# Altium PCB PCB2.PcbDoc (part 2 of 2)
Units mm, origin at the board's own origin, x right, y up, seen from the top; angles counter-clockwise.
Board outline 130 x 80 mm, 4 copper layers (L1, L2, L3, L4), stack 0.618 mm thick; 289 components, 197 nets, 953 pads, 278 vias.
Unrouted connection lines stored in the file: 512.
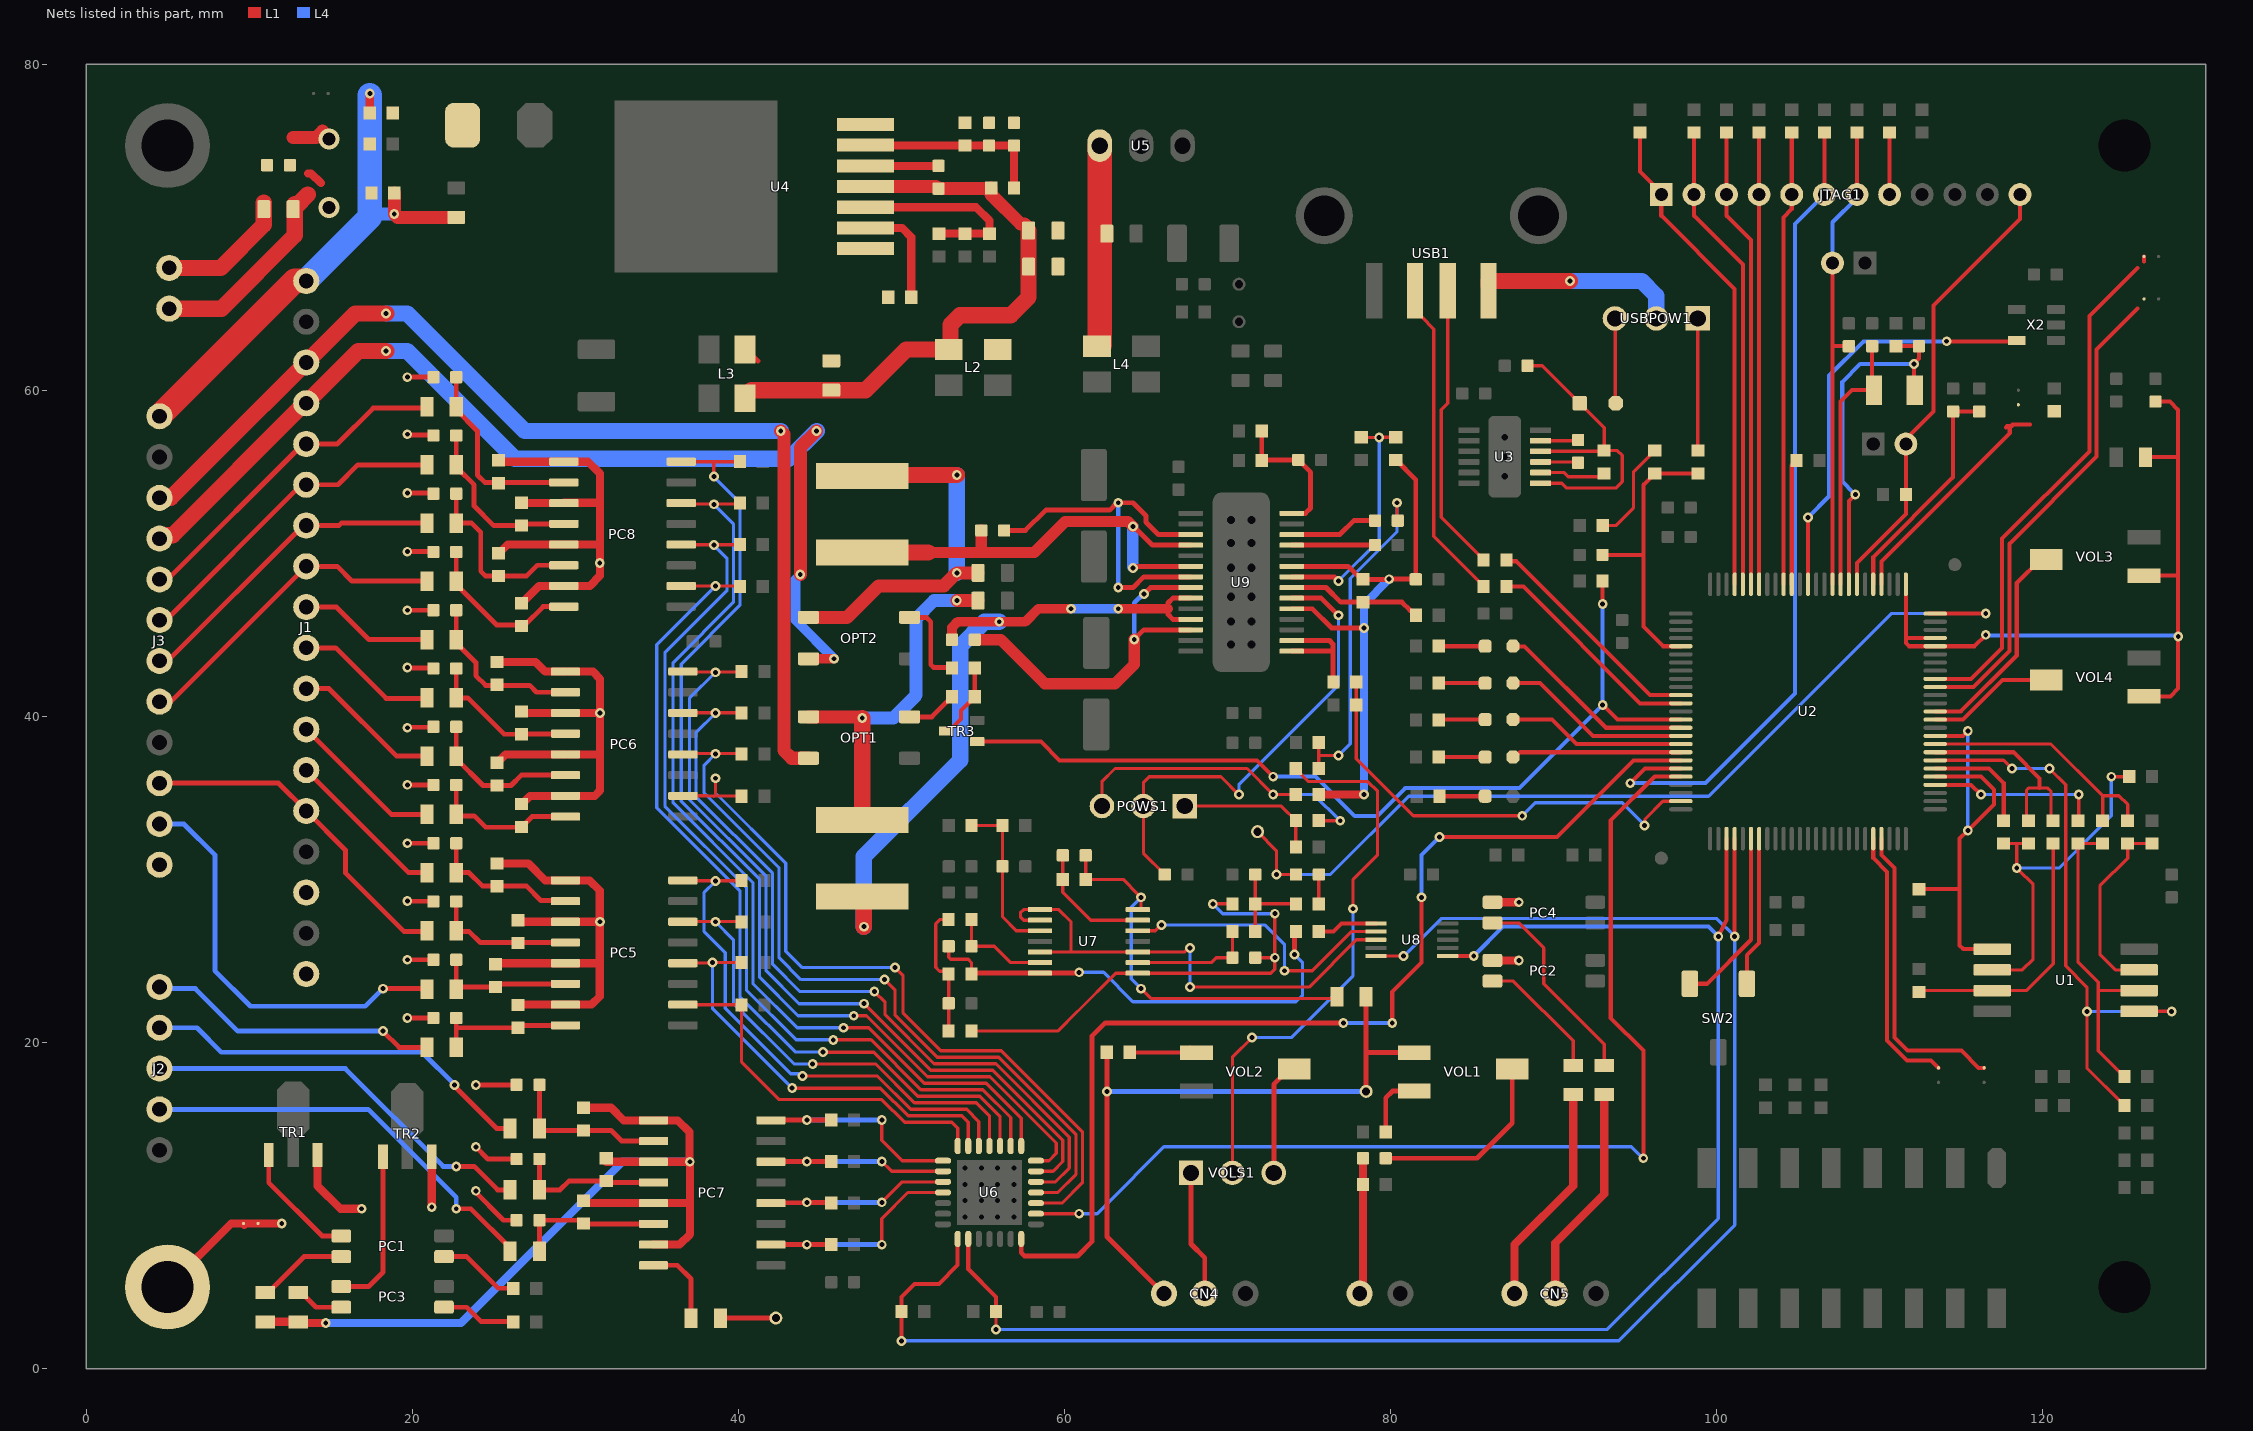
[diagram p4: the nets of this part, all layers, seen from the top]

## Via types
v1: diameter 0.6, hole 0.3, L1 to L4, 276 vias
v2: diameter 1.3, hole 0.8, L1 to L4, 2 vias

## Nets (pads, with @x,y where several pads share a name; then routed paths per layer and width w, separated by ;. In a path a pad name is that pad's centre, name@x,y a point inside that pad or via, vN(x,y) a via of type N, cw(c..) or ccw(c..) an arc to the next point about the centre after c; other vN are vias at no path point) (continued)
EX24V: C33.2 C52.2 CN3.1 PC2.1 PC4.1 PC5.1 PC5.3 PC5.5 PC5.7 PC6.1 PC6.3 PC6.5 PC6.7 PC7.1 PC7.3 PC7.5 PC7.7 PC8.1 PC8.3 PC8.5 PC8.7 R43.2 R44.2 R72.2 R73.2 R76.2 R77.2 R80.2 R81.2 R84.2 R85.2 R88.2 R89.2 R92.2 R93.2 R96.2 R97.2 R100.2 R105.2 | length 163.5
  L1 w0.5: R44.2@11.003,2.868 R43.2@12.997,2.868 ; R43.2@13,2.865 13.065,2.8 v1@14.673,2.8 ; 13.6,73.3 13.8,73.3 14.4,72.7 ; R80.2@25.2,24.8 25.26,24.86 PC5.5@29.4,24.86 31.5,24.86 ; R72.2@25.2,30.98 27.12,30.98 28.16,29.94 PC5.1@29.4,29.94 30.885,29.94 31.5,29.325 v1@31.5,27.4 ; R81.2@25.2,37.16 25.225,37.16 25.73,37.665 PC6.5@29.4,37.665 ; R73.2@25.2,43.34 27.56,43.34 28.155,42.745 PC6.1@29.4,42.745 ; R89.2@25.2,55.7 25.285,55.615 PC8.1@29.3,55.615 30.785,55.615 31.506,54.894 31.506,53.094 ; R97.2@25.3,50 25.325,50 25.86,50.535 PC8.5@29.3,50.535 31.49,50.535 31.525,50.5 ; R84.2@26.7,22.3 26.72,22.32 PC5.7@29.4,22.32 30.995,22.32 31.5,22.825 31.5,24.86 ; R76.2@26.7,27.5 26.8,27.4 PC5.3@29.4,27.4 v1@31.5,27.4 ; R85.2@26.7,34.62 26.725,34.62 27.23,35.125 PC6.7@29.4,35.125 ; R77.2@26.7,40.3 26.795,40.205 PC6.3@29.4,40.205 ; R100.2@26.7,46.94 26.725,46.94 27.78,47.995 PC8.7@29.3,47.995 30.895,47.995 31.525,48.625 31.525,50.5 ; R93.2@26.7,53.1 26.725,53.075 PC8.3@29.3,53.075 29.319,53.094 31.506,53.094 ; PC6.7@29.6,35.12 31.195,35.12 31.525,35.45 v1(31.525,40.2) ; PC6.5@29.6,37.66 31.5,37.66 ; PC6.3@29.6,40.2 v1(31.525,40.2) ; PC6.1@29.6,42.74 31.085,42.74 31.525,42.3 v1(31.525,40.2) ; R88.2@30.4,16 32.2,16 32.975,15.225 PC7.1@34.8,15.225 36.285,15.225 37.006,14.504 37.006,12.704 v1(37.025,12.685) ; R96.2@30.5,10.3 30.525,10.3 30.68,10.145 PC7.5@34.8,10.145 36.99,10.145 37.025,10.11 ; R92.2@31.9,12.9 31.9,12.685 PC7.3@34.8,12.685 v1(37.025,12.685) ; PC7.7@34.8,7.605 36.395,7.605 37.025,8.235 37.025,10.11 ; PC2.1@86.25,25.035 v1(87.865,25.035) ; PC4.1@86.25,28.6 v1(87.865,28.6) ; 31.5,24.86 v1@31.5,27.4 ; 31.506,53.094 31.506,50.519 31.525,50.5 ; 37.025,10.11 v1(37.025,12.685)
  L1 w1: CN3.1@5.1,65 8.3,65 12.799,69.499 C52.2@12.799,71.399 ; C52.2@12.899,71.299 13.6,72
  L4 w0.5: v1(14.7,2.8) 23,2.8 32.885,12.685 v1(37.025,12.685)
  other v1: 31.525,27.4 31.5,49.4
  other v2: 14.9,71.2
EXGND: "EXT GND1.1" C32.1 C33.1 C34.1 C37.1 C38.1 C39.1 C40.1 C41.1 C42.1 C43.1 C44.1 C45.1 C46.1 C47.1 C48.1 C49.1 C52.1 CN3.2 J1.16 J1.18 J3.12 JP3.1 JP3.2 R106.2 TR1.3 TR2.3 | length 56.1
  L1 w0.3: v1(19.7,21.5) C38.1@21.3,21.5 ; v1(19.7,25.073) C37.1@21.3,25.073 ; v1(19.7,28.67) 19.712,28.658 21.288,28.658 C34.1@21.3,28.645 ; v1(19.7,32.218) C32.1@21.3,32.218 ; v1(19.7,35.8) 19.705,35.795 21.295,35.795 C42.1@21.3,35.791 ; v1(19.7,39.3) 19.732,39.332 21.268,39.332 C43.1@21.3,39.364 ; v1(19.7,43) 19.732,42.968 21.268,42.968 C44.1@21.3,42.936 ; v1(19.7,46.509) C45.1@21.3,46.509 ; v1(19.7,50.1) 21.263,50.1 C46.1@21.273,50.09 ; v1(19.7,53.7) 21.021,53.7 21.121,53.8 C47.1@21.282,53.639 ; v1(19.7,57.3) 19.736,57.264 21.264,57.264 C48.1@21.3,57.227 ; v1(19.7,60.8) C49.1@21.3,60.8 ; v1@23.8,10.9 25.6,9.1 C41.1@26.4,9.1 ; v1(23.9,13.6) 24.65,12.85 C40.1@26.4,12.85 ; v1(23.9,17.4) C39.1@26.4,17.4
  L1 w0.5: 5,5 8.9,8.9 9.6,8.9 9.7,8.8 ; JP3.2@9.654,8.9 JP3.1@10.546,8.9 v1(12,8.9) ; TR1.3@14.2,13.55 TR1.3@14.2,13.1 14.2,11.2 15.6,9.8 v1(16.9,9.8) ; v1(21.2,9.9) TR2.3@21.2,13 TR2.3@21.2,13.4
  L1 w0.8: 12.7,75.5 14.1,75.5 v2@14.5,75.9
  L1 w1: CN3.2@5.1,67.5 8.25,67.5 10.9,70.15 C52.1@10.9,71.1 C52.1@10.9,71.5
  other v1: 23.9,10.9
  other v2: 14.9,75.4
GVDD: C70.2 R124.1 R129.2 R131.2 U9.5 U9.9 | length 37.3
  L1 w0.2: R129.2@75.59,35.2 R129.2@75.627,35.238
  L1 w0.3: U9.5@73.94,46.6 75.2,46.6 76.375,45.425 v1(78.365,45.425) ; U9.9@73.94,49.2 77.4,49.2 78.2,48.4 v1@79.912,48.4 ; v1(79.912,48.412) 81.488,48.412 C70.2@81.5,48.4 ; R131.2@80.315,55.72 80.34,55.72 81.545,54.515 C70.2@81.545,48.4
  L1 w0.5: R129.2@75.627,35.238 75.665,35.2 v1@78.4,35.2
  L4 w0.5: v1(78.365,35.2) v1(78.365,45.425) 78.365,46.865 v1(79.912,48.412)
I2CSCK: R104.1 U2.54 U6.8 U8.10 | length 109.6
  L1 w0.2: U8.10@79.2,25.3 v1(80.8,25.3)
  L1 w0.25: v1(50,1.7) R104.1@50,3.5 50,4.4 50.8,5.2 52.3,5.2 53.45,6.35 U6.8@53.45,7.95 ; v1(101.1,26.5) U2.54@101.1,32.5
  L4 w0.2: v1(50,1.7) 94,1.7 101.1,8.8 v1(101.1,26.5) 100,27.6 83.1,27.6 v1(80.8,25.3)
I2CSDA: R101.1 U2.53 U6.9 U8.1 | length 93.9
  L1 w0.2: v1(55.8,2.4) R101.1@55.8,3.5 R101.1@55.8,3.8
  L1 w0.25: U6.9@54.1,7.95 54.1,6.1 55.8,4.4 R101.1@55.8,3.8 ; U8.1@84,25.3 v1(85.1,25.3) ; v1(100.1,26.5) 100.6,27.5 U2.53@100.6,32.5
  L4 w0.2: v1(55.8,2.4) 93.3,2.4 100.1,9.2 v1(100.1,26.5)
  L4 w0.25: v1(85.1,25.3) 86.9,27.1 99.5,27.1 v1(100.1,26.5)
INT_SW: U2.46 U6.16 | length 66.3
  L1 w0.2: U6.16@58.109,9.5 v1(60.9,9.5)
  L1 w0.25: v1(95.5,12.9) 95.5,19.5 93.5,21.5 93.5,33.6 96.2,36.3 U2.46@97.8,36.3
  L4 w0.2: v1(60.9,9.5) 62,9.5 62.1,9.6 62.5,10 66.1,13.6 94.751,13.6 95.451,12.9 v1(95.5,12.9)
LED_ALM: LED4.K U2.40 | length 12.4
  L1 w0.25: LED4.K@87.5,44.3 87.515,44.285 88.215,44.285 93.2,39.3 U2.40@97.8,39.3
LED_BSY: LED2.K U2.42 | length 10.9
  L1 w0.25: LED2.K@87.55,39.8 89.9,39.8 91.4,38.3 U2.42@97.8,38.3
LED_POW: LED1.K U2.41 | length 11.6
  L1 w0.25: LED1.K@87.5,42.033 89.167,42.033 92.4,38.8 U2.41@97.8,38.8
LED_USB: LED3.K U2.43 | length 10.4
  L1 w0.25: LED3.K@87.5,37.5 87.65,37.5 87.95,37.8 U2.43@97.8,37.8
LINE+: C55.2 CN1.1 R116.1 | length 8.4
  L1 w0.5: CN1.1@78.1,4.6 78.3,4.8 R116.1@78.3,11.3 C55.2@78.3,12.9
MD1: BOOT.2 JTAG1.12 R20.1 U2.7 | length 28
  L1 w0.25: U2.7@108.6,48.1 108.6,49.4 111.6,52.4 R20.1@111.6,53.6 BOOT.2@111.6,56.7 111.6,57 111.688,57.088 113.3,58.7 113.3,65.2 118.6,70.5 JTAG1.12@118.6,72
NetC9_2: C9.2 L1.2 U2.1 U2.96 U2.97 VOL3.1 VOL4.1 | length 50
  L1 w0.25: U2.1@111.6,48.1 111.6,44.8 ; U2.96@113.4,44.3 115.8,44.3 ; U2.97@113.4,44.8 111.6,44.8 ; v1(116.5,45) 115.8,44.3 ; VOL4.1@126.2,41.225 127.825,41.225 128.3,41.7 128.3,48.6 ; VOL3.1@126.2,48.625 128.275,48.625 128.3,48.6 ; L1.2@126.3,55.9 128.3,55.9 ; C9.2@126.9,59.3 127.8,59.3 128.3,58.8 128.3,55.9 ; 111.6,44.8 111.6,44.5 111.8,44.3 115.8,44.3 ; 128.3,48.6 128.3,51 128.3,55.9
  L4 w0.25: v1(116.5,45) 116.55,44.95 128.25,44.95 v1(128.3,44.9)
NetC12_2: C12.2 R140.2 U2.8 X1.2 | length 21.8
  L1 w0.25: U2.8@108.1,48.1 108.1,53.2 v1(108.5,53.6) v1@108.5,53.7 ; R140.2@110.992,62.7 C12.2@112.4,62.7 112.4,61.95 112.1,61.65 v1(112.1,61.6) X1.2@112.1,60.2
  L4 w0.25: v1@108.5,53.7 108.4,53.7 107.7,54.4 107.7,60.5 108.8,61.6 v1(112.1,61.6)
NetC13_2: C13.2 U2.9 X1.1 | length 16.2
  L1 w0.25: U2.9@107.6,48.1 107.6,59.3 108.3,60 109.6,60 109.533,60.067 C13.2@109.533,62.7
NetC18_1: C18.1 U3.9 | length 2.3
  L1 w0.2: U3.9@89.2,55.6 91.4,55.6 C18.1@91.5,55.5
NetC18_2: C18.2 U3.11 | length 2.3
  L1 w0.2: U3.11@89.2,56.9 C18.2@91.5,56.9
NetC20_1: C20.1 C21.1 R50.2 R51.1 U4.6 | length 11.7
  L1 w0.5: U4.6@47.8,75.03 47.815,75.015 54.585,75.015 54.6,75 C21.1@56.9,75 56.903,74.997 56.903,72.403 R51.1@56.905,72.4
NetC20_2: C20.2 C21.2 C26.2 C27.2 L2.1 R50.1 U4.7
NetC22_1: C22.1 C26.1 C27.1 C28.1 L2.4 L3.3 R51.2 U4.4 | length 36.7
  L1 w0.8: U4.4@47.8,72.49 49.384,72.49 49.394,72.5 52.135,72.5 C28.1@52.275,72.36 ; C28.1@52.295,72.38 R51.2@55.5,72.38 ; R51.2@55.505,72.4 55.505,71.995 57.3,70.2 57.54,70.2 57.8,69.94 C26.1@57.8,69.79
  L1 w1: L3.3@40.4,59.4 40.4,59.6 40.8,60 C22.1@45.7,60 47.8,60 50.3,62.5 L2.4@53.1,62.5 ; L2.4@52.9,62.5 53.007,62.607 53.007,64.014 53.593,64.6 56.7,64.6 57.8,65.7 C27.1@57.8,67.575 C26.1@57.8,69.79
NetC22_2: C22.2 L3.2 R49.1 U4.1 | length 0.6
  L1 w0.3: L3.2@40.85,62.15 41.2,61.8
  L1 w0.5: U4.1@47.8,68.68 U4.1@47.843,68.637
NetC28_2: C28.2 U4.5 | length 4.5
  L1 w0.5: U4.5@47.8,73.76 C28.2@52.275,73.76
NetC29_2: C29.2 L4.2 U5.1 | length 12.2
  L1 w1.5: L4.2@62.16,62.8 62.16,72.21 U5.1@62.16,75
NetC53_1: C53.1 R107.1 R112.2 U7.14 | length 24.6
  L1 w0.2: C53.1@61.3,31.5 C53.1@61.3,31.475 R107.1@61.3,30 63.6,30 64.5,29.1 v1@64.5,28.9 ; U7.14@64.5,28.15 64.65,28.15 64.7,28.2 v1(64.7,28.9) ; v1(64.7,23.3) 65.3,22.7 71.805,22.7 76.6,22.7 R112.2@76.7,22.8
  L4 w0.2: v1(64.7,23.3) 64.1,23.9 64.1,28.3 v1(64.7,28.9)
NetC53_2: C53.2 R107.2 U7.13 | length 7.6
  L1 w0.2: C53.2@59.9,31.5 R107.2@59.9,30 59.9,29.2 61.6,27.5 U7.13@64.5,27.5
NetC55_1: C55.1 VOL1.2 | length 12.3
  L1 w0.3: C55.1@79.7,12.9 85.3,12.9 87.459,15.059 87.459,18.275 VOL1.2@87.066,18.275
NetC56_1: C56.1 R114.1 U7.9 | length 7.4
  L1 w0.2: U7.9@64.5,24.9 69,24.9 69.3,25.2 C56.1@70.2,25.2 ; C56.1@70.3,25.2 R114.1@70.3,26.825
NetC56_2: C56.2 R110.2 R111.1 U7.8 | length 30
  L1 w0.2: R110.2@54.295,20.7 59.575,20.7 60.775,21.9 60.8,21.9 63.15,24.25 U7.8@64.5,24.25 72.657,24.25 72.9,24.493 v1(72.9,25.2) ; v1(69.1,28.5) R111.1@70.3,28.5 ; C56.2@71.7,25.2 v1(72.9,25.2) ; v1(72.9,27.9) v1(72.9,25.2)
  L4 w0.2: v1(69.1,28.5) 69.7,27.9 v1(72.9,27.9)
NetC57_1: C57.1 R113.1 U7.6 | length 6.5
  L1 w0.2: C57.1@54.1,25.9 55.7,25.9 56.7,24.9 U7.6@58.5,24.9 ; R113.1@54.295,27.544 54.3,27.539 C57.1@54.3,25.9
NetC57_2: C57.2 R109.1 R119.1 U7.7 | length 28.2
  L1 w0.2: C57.2@52.9,25.9 52.9,25.217 53.017,25.1 54.1,25.1 54.295,24.905 R109.1@54.295,24.2
  L1 w0.3: R109.1@54.4,24.25 U7.7@58.5,24.25 60.85,24.25 v1(60.9,24.3) ; v1(74.1,25.4) 74.1,26.7 R119.1@74.2,26.8
  L4 w0.2: v1(60.9,24.3) 62.4,24.3 64.2,22.5 74.2,22.5 74.6,22.9 74.6,24.9 v1(74.1,25.4)
NetC58_1: C58.1 TP3.1 U2.100 | length 57.9
  L1 w0.2: TP3.1@71.845,32.925 73,31.77 v1(73,30.3) C58.1@74.2,30.3
  L1 w0.25: U2.100@113.029,46.3 v1(116.5,46.3)
  L4 w0.2: v1(73,30.3) 76.3,30.3 81.1,35.1 99.5,35.1 110.7,46.3 v1(116.5,46.3) v1@116.508,46.3
NetC58_2: C58.2 R115.2 | length 1.7
  L1 w0.2: R115.2@75.6,28.6 C58.2@75.6,30.3
NetC59_2: C59.2 R109.2 R110.1 R113.2 | length 7.7
  L1 w0.2: R109.2@52.62,24.363 52.337,24.363 52.1,24.6 52.1,27.269 52.375,27.544 R113.2@52.895,27.544 ; R110.1@52.895,20.7 52.9,20.705 C59.2@52.9,22.4 52.9,24.195 R109.2@52.895,24.2
NetC60_2: C60.2 R111.2 R114.2 R115.1 | length 6.2
  L1 w0.2: R111.2@71.6,28.5 R111.2@71.7,28.6 ; R114.2@71.7,26.825 R111.2@71.7,28.5 ; C60.2@71.7,30.3 R111.2@71.7,28.6 ; R115.1@74.2,28.6 74.1,28.5 R111.2@71.7,28.5 ; R111.2@71.7,28.5 R111.2@71.7,28.6
NetC64_2: C64.2 R121.1 R122.2 U7.3 | length 10.2
  L1 w0.2: R121.1@54.3,33.3 R122.2@56.2,33.3 56.2,31.6 56.2,27.7 57.05,26.85 U7.3@58.5,26.85
NetC65_1: C65.1 L5.1 U9.23 U9.25 | length 42.7
  L1 w0.3: U9.25@67.74,45.95 66.65,45.95 66.35,46.25 66.35,46.6 66.35,46.95 66.65,47.25 U9.23@67.74,47.25
  L1 w0.6: C65.1@53.1,44.7 53.1,45.449 53.451,45.8 v1(56,45.8) 57.6,45.8 58.4,46.6 v1(60.4,46.6) ; v1(63.3,46.6) 66.35,46.6
  L1 w1: v1(47.7,27.1) L5.1@47.7,28.9
  L4 w0.6: v1(60.4,46.6) v1(63.3,46.6)
  L4 w1: v1(47.7,27.1) 47.7,31.4 53.6,37.3 53.6,44.3 55.1,45.8 v1(56,45.8)
NetC65_2: C65.2 U9.22 U9.26 | length 22.7
  L1 w0.3: v1(64.28,44.72) 64.861,45.3 U9.26@67.74,45.3 ; v1(64.871,47.5) 64.881,47.5 65.281,47.9 U9.22@67.74,47.9
  L1 w0.7: C65.2@54.5,44.7 56.1,44.7 58.8,42 63.1,42 64.28,43.18 v1(64.28,44.72)
  L4 w0.3: v1(64.28,44.72) 64.28,46.959 64.821,47.5 v1(64.871,47.5)
NetC66_2: C66.2 L5.2 OPT1.3 | length 22.4
  L1 w0.8: OPT1.3@44.3,39.97 47.53,39.97 v1(47.6,39.9) ; v1(53.4,47.1) C66.2@54.7,47.1
  L1 w1: L5.2@47.6,33.65 v1(47.6,39.9)
  L4 w0.8: v1(47.6,39.9) 49.5,39.9 50.9,41.3 50.9,46 52,47.1 v1(53.4,47.1)
NetC67_1: C67.1 L6.2 OPT2.3 | length 23.4
  L1 w0.5: C67.1@54.586,48.914 C67.1@54.7,48.8
  L1 w0.8: OPT2.3@44.3,46.07 46.67,46.07 48.6,48 52.6,48 v1(53.4,48.8) C67.1@54.7,48.8
  L1 w1: L6.2@47.65,54.8 v1(53.4,54.8)
  L4 w1: v1(53.4,48.8) v1(53.4,54.8)
NetC71_1: C71.1 L6.1 U9.18 U9.20 | length 29
  L1 w0.3: v1(64.195,51.645) 64.255,51.645 65.4,50.5 U9.18@67.74,50.5 ; v1@64.2,49.2 64.3,49.1 64.362,49.1 64.461,49.2 U9.20@67.74,49.2
  L1 w0.7: 51.65,50.05 54.9,50.05 ; C71.1@54.9,51.4 54.9,50.05 ; v1(64.195,51.645) 63.889,51.95 62.734,51.95 60.05,51.95 58.15,50.05 54.9,50.05
  L1 w1: L6.1@47.6,50.05 51.65,50.05
  L4 w0.7: v1@64.195,49.186 v1(64.195,51.645)
  other v1: 64.195,49.1
NetC71_2: C71.2 U9.17 U9.21 | length 23.3
  L1 w0.3: C71.2@56.3,51.4 57.6,51.4 58.85,52.65 62.769,52.65 63.219,53.1 64.2,53.1 65,52.3 65,51.9 65.75,51.15 U9.17@68.1,51.15 ; v1@63.5,47.9 64.211,47.9 64.861,48.55 U9.21@67.74,48.55
  L4 w0.3: v1(63.3,47.9) v1(63.3,53.1)
NetC72_1: C72.1 U9.12 | length 5.5
  L1 w0.3: U9.12@73.94,51.15 76.89,51.15 77.74,52 78.94,52 C72.1@79.04,51.9
NetC72_2: C72.2 R126.1 R127.2 | length 21
  L1 w0.2: R126.1@75.59,36.8 75.6,36.81 75.6,37.605 ; R127.2@75.6,38.4 75.6,37.605 ; v1(76.8,37.59) 76.785,37.605 75.6,37.605 ; v1(80.4,53.1) 80.4,52.04 C72.2@80.44,52 C72.2@80.44,51.9
  L4 w0.2: v1@76.79,37.59 77.52,38.32 77.52,48.454 80.4,51.334 v1(80.4,53.1)
NetC73_2: C73.2 U9.11 | length 5.1
  L1 w0.3: U9.11@73.94,50.5 C73.2@79.04,50.5
NetC76_2: C76.2 R128.1 R130.1 U9.14 | length 8.7
  L1 w0.3: R128.1@72.1,57.5 R130.1@72.1,55.7 72.112,55.713 74.328,55.713 C76.2@74.34,55.725 75.1,54.965 75.1,52.776 74.774,52.45 U9.14@73.94,52.45
  L1 w0.5: R128.1@72.1,57.5 R128.1@72.1,57.6
NetC78_2: C78.2 POWS1.2 U9.6 | length 29.5
  L1 w0.2: C78.2@66.152,30.3 64.84,31.612 POWS1.2@64.84,34.5 64.84,35.94 65.2,36.3 69.6,36.3 v1(70.7,35.2)
  L1 w0.3: U9.6@73.94,47.25 75.75,47.25 v1(76.8,46.2)
  L4 w0.2: v1(70.7,35.2) 70.7,35.8 76.8,41.9 v1(76.8,46.2)
NetCN4_1: CN4.1 R112.1 R120.1 TP2.1 VOL1.1 | length 40.8
  L1 w0.3: R120.1@62.6,19.4 v1(62.6,17) 62.6,8.1 CN4.1@66.1,4.6 ; TP2.1@78.5,17 78.5,19.4 ; R112.1@78.5,22.7 78.5,19.4 ; VOL1.1@81.459,19.375 78.525,19.375 78.5,19.4
  L4 w0.3: v1(62.6,17) TP2.1@78.5,17
NetCN4_2: CN4.2 VOLS1.1 | length 7
  L1 w0.3: VOLS1.1@67.76,12 67.76,7.64 68.6,6.8 CN4.2@68.6,5.3
NetCN5_1: CN5.1 R46.1 | length 13
  L1 w0.5: CN5.1@87.6,5.3 87.6,7.6 91.2,11.2 R46.1@91.2,16.8
NetCN5_2: CN5.2 R48.1 | length 12.7
  L1 w0.5: CN5.2@90.1,5.3 90.1,7.7 93.1,10.7 R48.1@93.1,16.8
NetD1_A: D1.A FUSE1.2 | length 0
NetD2_K: D2.K USBPOW1.3 | length 5.2
  L1 w0.2: USBPOW1.3@93.76,64.4 93.78,64.38 93.78,59.22 D2.K@93.8,59.2
NetED1_2: ED1.2 R21.2 U2.4 | length 14.6
  L1 w0.25: U2.4@110.1,48.1 110.1,49.5 117.971,57.371 117.971,57.725 118.146,57.9 119.2,57.9 ; 117.735,57.725 117.81,57.8 117.971,57.8 118.1,57.8
NetJP1_1: JP1.1 U2.72 | length 18.8
  L1 w0.25: U2.72@110.1,32.5 110.1,31.5 110.9,30.7 110.9,20.3 111.7,19.5 115,19.5 116.054,18.446 JP1.1@116.4,18.446
NetJP2_1: JP2.1 U2.71 | length 16.6
  L1 w0.25: U2.71@109.6,32.5 109.6,31.3 110.45,30.45 110.45,20.114 111.664,18.9 113.146,18.9 JP2.1@113.6,18.446
NetJTAG1_8: JTAG1.8 R7.1 | length 3.8
  L1 w0.25: JTAG1.8@110.6,72 R7.1@110.6,75.799
NetLED1_A: LED1.A R26.2 | length 2.8
  L1 w0.25: R26.2@82.95,42.033 LED1.A@85.8,42.033
NetLED2_A: LED2.A R28.2 | length 2.8
  L1 w0.25: R28.2@82.95,39.8 LED2.A@85.8,39.8
NetLED3_A: LED3.A R31.2 | length 2.8
  L1 w0.25: R31.2@82.95,37.5 LED3.A@85.8,37.5
NetLED4_A: LED4.A R32.2 | length 2.9
  L1 w0.25: R32.2@82.95,44.3 LED4.A@85.8,44.3
NetLED5_A: LED5.A R117.1 | length 2.9
  L1 w0.3: R117.1@82.95,35.1 LED5.A@85.85,35.1
NetMS1_2: MS1.2 U2.91 | length 29.7
  L1 w0.25: U2.91@113.4,41.8 115.736,41.8 117.95,44.014 117.95,50.582 123.3,55.932 123.3,62.5 125.8,65
NetMS2_2: MS2.2 U2.92 | length 31.9
  L1 w0.25: U2.92@113.4,42.3 115.6,42.3 117.5,44.2 117.5,50.9 122.85,56.25 122.85,64.55 125.8,67.5 ; 126.2,67.9 MS2.2@126.2,68.2
NetOPT1_2: OPT1.2 R139.2 | length 3.1
  L1 w0.3: OPT1.2@50.5,39.97 51.87,39.97 52.85,40.95 52.875,40.95 53.1,41.175 R139.2@53.1,41.2
NetOPT2_2: OPT2.2 R137.2 | length 5.4
  L1 w0.3: OPT2.2@50.5,46.07 51.53,46.07 51.8,45.8 51.8,43.176 51.976,43 53.062,43 R137.2@53.1,42.962
NetPC1_1: PC1.1 R45.1 | length 5.1
  L1 w0.3: PC1.1@21.95,6.865 23.335,6.865 25.275,4.925 26.2,4.925 R45.1@26.2,4.9
NetPC1_3: PC1.3 TR1.1 | length 7.8
  L1 w0.3: TR1.1@11.2,13.1 11.2,11.4 14.465,8.135 PC1.3@15.9,8.135
NetPC1_4: PC1.4 R44.1 | length 5.6
  L1 w0.3: R44.1@11,4.665 11.165,4.665 13.365,6.865 PC1.4@15.65,6.865
NetPC2_2: PC2.2 R46.2 | length 8
  L1 w0.2: PC2.2@86.25,23.765 87.535,23.765 91.2,20.1 R46.2@91.2,18.6
NetPC3_1: PC3.1 R47.1 | length 4.7
  L1 w0.3: PC3.1@21.95,3.765 23.335,3.765 24.2,2.9 26.265,2.9 R47.1@26.3,2.865
NetPC3_3: PC3.3 TR2.1 | length 10
  L1 w0.3: PC3.3@15.7,5.035 17.335,5.035 18.207,5.907 18.207,12.993 TR2.1@18.2,13
NetPC3_4: PC3.4 R43.1 | length 3
  L1 w0.3: R43.1@13,4.665 13.2,4.665 14.1,3.765 PC3.4@15.65,3.765
NetPC4_2: PC4.2 R48.2 | length 12.6
  L1 w0.2: PC4.2@86.45,27.33 87.87,27.33 89.4,25.8 89.4,23.6 93.1,19.9 93.1,18.8 92.9,18.6 R48.2@93.1,18.6
NetPC5_10: PC5.10 R56.1 U6.28 | length 23.1
  L1 w0.2: PC5.10@36.5,22.315 R56.1@40.1,22.315 ; R56.1@40.2,22.3 40.2,18.8 42.5,16.5 48.8,16.5 50.2,15.1 53.1,15.1 53.45,14.75 U6.28@53.45,13.65
NetPC5_12: PC5.12 R57.1 U6.27 | length 26.5
  L1 w0.2: PC5.12@36.6,24.86 36.62,24.88 38.39,24.88 v1(38.41,24.9) ; v1@38.41,24.88 38.58,24.88 38.6,24.9 R57.1@40.2,24.9 ; v1(43.3,17.2) 48.709,17.2 50.409,15.5 53.7,15.5 54.1,15.1 U6.27@54.1,13.65
  L4 w0.2: v1(38.41,24.9) 38.41,22.09 v1(43.3,17.2)
NetPC5_14: PC5.14 R58.1 U6.25 | length 29.5
  L1 w0.2: PC5.14@36.6,27.415 R58.1@40.2,27.415 ; v1(44.56,18.68) 48.42,18.68 50.8,16.3 54.6,16.3 55.4,15.5 U6.25@55.4,13.576
  L4 w0.2: v1(38.6,27.4) 39.7,26.3 39.7,22.4 43.42,18.68 v1(44.56,18.68)
NetPC5_16: PC5.16 R59.1 U6.26 | length 32.2
  L1 w0.2: PC5.16@36.6,29.915 R59.1@40.2,29.915 ; v1(43.93,17.94) 48.535,17.94 50.575,15.9 54,15.9 54.75,15.15 U6.26@54.75,13.65
  L4 w0.2: v1(38.6,29.9) 37.9,29.2 37.9,26.8 39.2,25.5 39.2,22.1 43.221,18.079 43.682,18.079 43.822,17.94 v1(43.93,17.94)
NetPC6_10: PC6.10 R67.1 U6.17 | length 47.7
  L1 w0.2: PC6.10@36.61,35.125 38.025,35.125 ; 38.025,35.115 38.515,35.115 ; 38.5,35.1 38.515,35.115 ; v1(38.6,36.2) 38.6,35.2 38.515,35.115 ; R67.1@40.2,35.115 38.515,35.115 ; v1(49.6,24.6) 50.1,24.1 50.1,21.8 52.4,19.5 56.131,19.5 61.1,14.531 61.1,11.4 59.85,10.15 U6.17@58.25,10.15
  L4 w0.2: v1(38.6,36.2) 38.6,35.3 42.9,31 42.9,25.6 43.9,24.6 v1(49.6,24.6)
NetPC6_12: PC6.12 R66.1 U6.18 | length 47.3
  L1 w0.2: PC6.12@36.6,37.715 R66.1@40.2,37.715 ; v1(48.97,23.86) 49.6,23.23 49.6,21.7 52.2,19.1 55.966,19.1 60.7,14.366 60.7,11.9 59.6,10.8 U6.18@58.223,10.8
  L4 w0.2: v1(38.6,37.7) 37.9,37 37.9,35.3 42.5,30.7 42.5,25.2 43.84,23.86 v1(48.97,23.86)
NetPC6_14: PC6.14 R65.1 U6.19 | length 48.8
  L1 w0.2: PC6.14@36.6,40.215 R65.1@40.2,40.215 ; v1(48.34,23.12) 49,22.46 49,21.7 52,18.7 55.8,18.7 60.3,14.2 60.3,12.3 59.45,11.45 U6.19@58.25,11.45
  L4 w0.2: v1(38.6,40.2) 37.4,39 37.4,35.066 42.1,30.366 42.1,24.8 43.78,23.12 v1(48.34,23.12)
NetPC6_16: PC6.16 R64.1 U6.20 | length 50.3
  L1 w0.2: PC6.16@36.6,42.715 R64.1@40.2,42.715 ; v1(47.71,22.38) 51.79,18.3 55.6,18.3 59.9,14 59.9,12.7 59.3,12.1 U6.20@58.182,12.1
  L4 w0.2: v1(38.6,42.7) 37,41.1 37,34.9 41.7,30.2 41.7,24.4 43.72,22.38 v1(47.71,22.38)
NetPC7_8: PC7.8 R102.2 | length 5.1
  L1 w0.3: PC7.8@34.8,6.335 36.265,6.335 37.1,5.5 R102.2@37.1,3.09
NetPC7_10: PC7.10 R60.1 U6.4 | length 14.2
  L1 w0.2: v1(48.8,7.6) 48.8,9.2 50.4,10.8 U6.4@52.55,10.8
  L1 w0.3: PC7.10@42.1,7.625 42.112,7.612 44.188,7.612 v1(44.2,7.6) R60.1@45.7,7.6
  L4 w0.3: v1(44.2,7.6) v1(48.8,7.6)
NetPC7_12: PC7.12 R61.1 U6.3 | length 12.6
  L1 w0.2: v1(48.8,10.195) 50.055,11.45 U6.3@52.55,11.45
  L1 w0.3: PC7.12@42,10.145 42.025,10.17 44.175,10.17 v1(44.2,10.195) 45.67,10.195 R61.1@45.7,10.165
  L4 w0.3: v1(44.2,10.195) v1(48.8,10.195)
NetPC7_14: PC7.14 R62.1 U6.2 | length 12.2
  L1 w0.2: v1(48.8,12.7) 49.4,12.1 U6.2@52.55,12.1
  L1 w0.3: PC7.14@42.1,12.705 42.103,12.703 44.197,12.703 v1(44.2,12.7) R62.1@45.7,12.7
  L4 w0.3: v1(44.2,12.7) v1(48.8,12.7)
NetPC7_16: PC7.16 R63.1 U6.1 | length 13.7
  L1 w0.2: v1(48.8,15.245) 48.8,14 50.05,12.75 U6.1@52.55,12.75
  L1 w0.3: PC7.16@42.1,15.245 v1(44.2,15.245) R63.1@45.7,15.245
  L4 w0.3: v1(44.2,15.245) v1(48.8,15.245)
NetPC8_10: PC8.10 R71.1 U6.24 | length 53.2
  L1 w0.2: PC8.10@36.5,47.995 36.503,47.997 38.597,47.997 v1(38.6,48) 40.094,48.015 R71.1@40.1,48.015 ; v1@45.19,19.4 48.3,19.4 51,16.7 54.8,16.7 56.05,15.45 U6.24@56.05,13.65
  L4 w0.2: v1(38.6,48) 38.112,47.512 35,44.4 35,34.4 40.1,29.3 40.1,22.8 43.48,19.42 v1(45.19,19.42)
NetPC8_12: PC8.12 R70.1 U6.23 | length 56.1
  L1 w0.2: PC8.12@36.5,50.515 R70.1@40.1,50.515 ; v1(45.82,20.16) 48.14,20.16 51.2,17.1 55,17.1 56.7,15.4 U6.23@56.7,13.65
  L4 w0.2: v1(38.5,50.5) 39.3,49.7 39.3,47.7 35.5,43.9 35.5,34.5 40.5,29.5 40.5,23.2 43.54,20.16 v1(45.82,20.16)
NetPC8_14: PC8.14 R69.1 U6.22 | length 58.6
  L1 w0.2: PC8.14@36.5,53.015 R69.1@40.1,53.015 ; v1(46.45,20.9) 48,20.9 51.4,17.5 55.2,17.5 57.35,15.35 U6.22@57.35,13.65
  L4 w0.2: v1(38.5,53) 39.7,51.8 39.7,47 36,43.3 36,34.7 40.9,29.8 40.9,23.6 43.6,20.9 v1(46.45,20.9)
NetPC8_16: PC8.16 R68.1 U6.21 | length 63.8
  L1 w0.2: PC8.16@36.5,55.615 38.5,55.615 ; v1(38.5,54.7) 38.5,55.615 ; R68.1@40.1,55.615 38.5,55.615 ; v1(47.08,21.64) 47.86,21.64 51.6,17.9 55.434,17.9 59.5,13.834 59.5,13.2 59.05,12.75 U6.21@58.25,12.75